# Allegro board SSOM_K1_Layout.brd
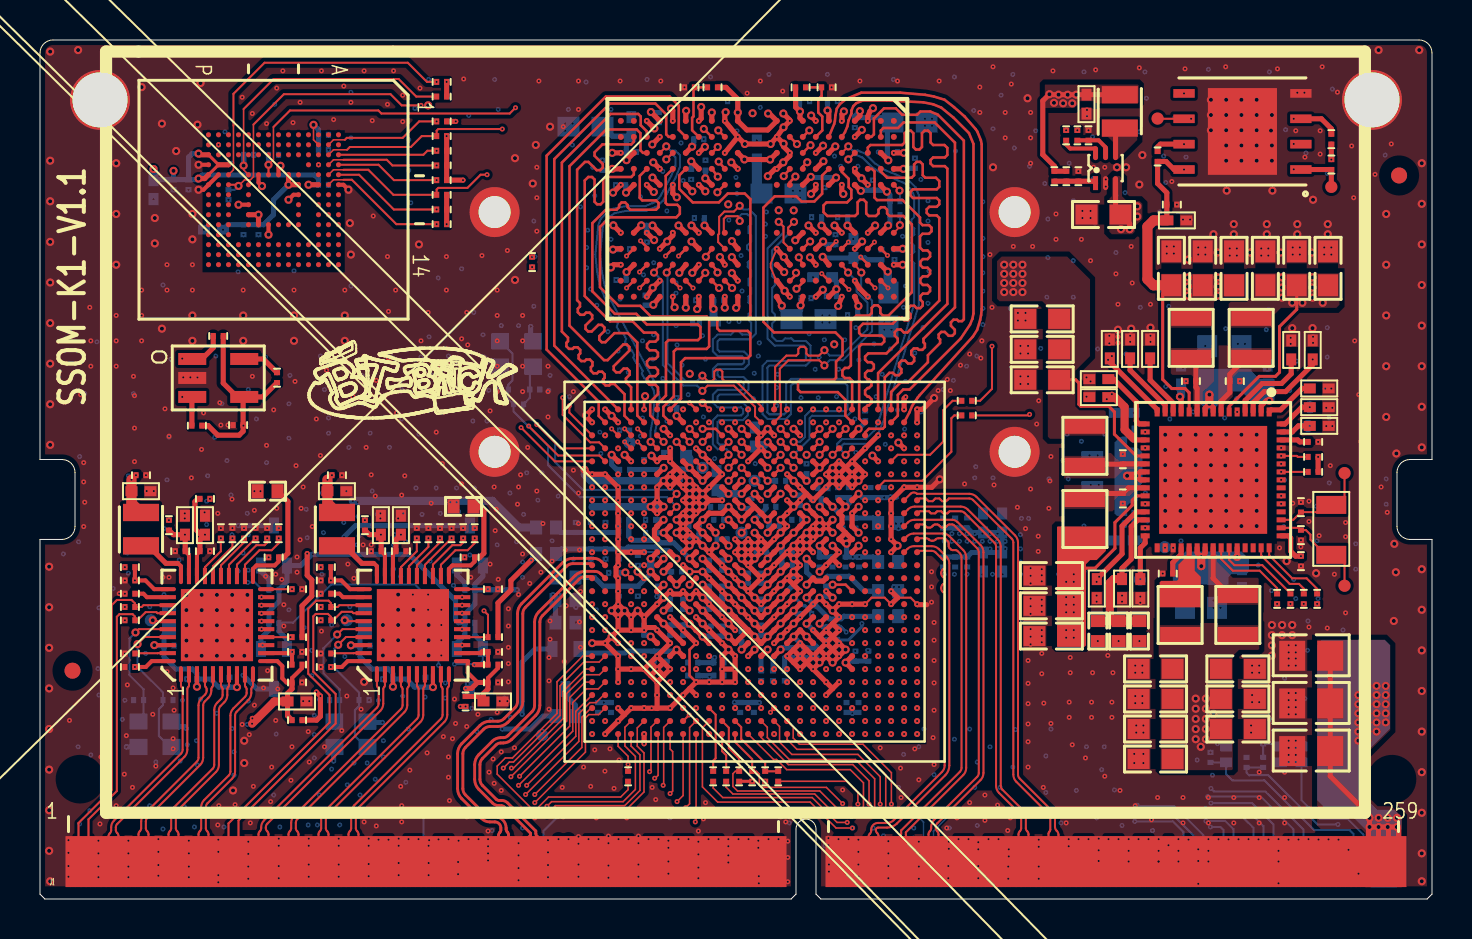
[diagram p0: board, top side]
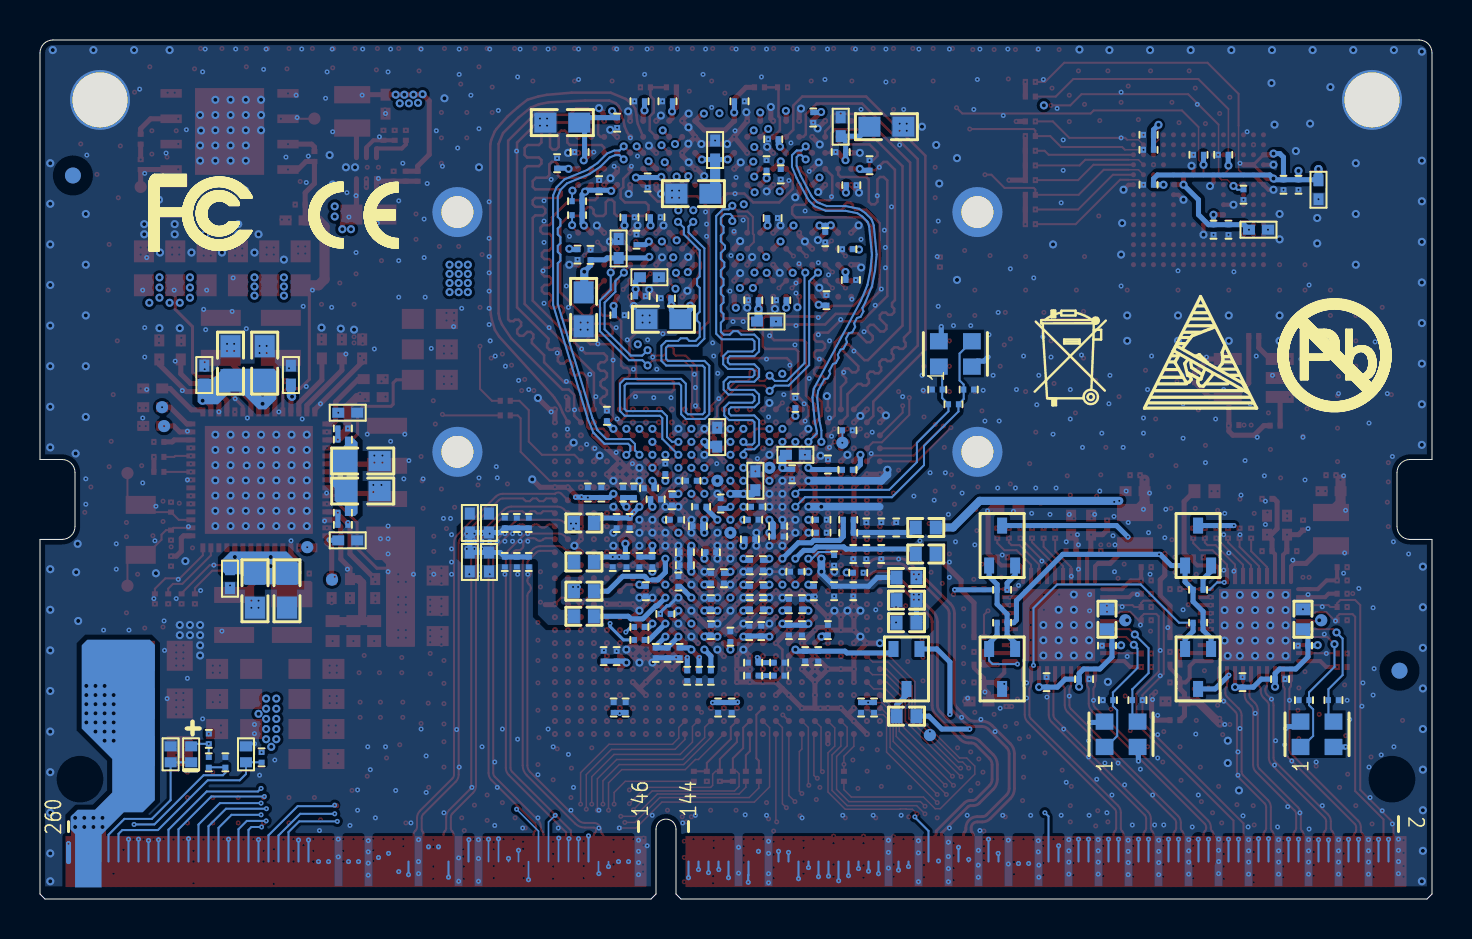
[diagram p1: board, bottom side, seen from below]

Outline 69.6 x 43 mm; copper layers: TOP, L2, L3, L4, L5, L6, L7, BOTTOM. Coordinates in mm from the lower left corner of the outline.
Outline path: 0,42.35 0,22 1.1,22 arc(1.56,21.81) 1.75,21.35 1.75,18.65 arc(1.56,18.19) 1.1,18 0,18 0,0.25 0.25,0 37.55,0 37.8,0.25 37.8,3.5 arc(38.3,4) 38.8,3.5 38.8,0.25 39.05,0 69.35,0 69.6,0.25 69.6,18 68.5,18 arc(68.04,18.19) 67.85,18.65 67.85,21.35 arc(68.04,21.81) 68.5,22 69.6,22 69.6,42.35 arc(69.41,42.81) 68.95,43 0.65,43 arc(0.19,42.81) 0,42.35

## Design rules (mm)
constraint set DEFAULT: min track width 0.076
net group AUX_MIC: nets AUX_MICN AUX_MICP
net group AVDD09_CSI: nets AVDD09_CSI N23332666
net group CSI1_CK: nets CSI1_CKN CSI1_CKP
net group CSI2_CK: nets CSI2_CKN CSI2_CKP
net group CSI3_CK: nets CSI3_CKN CSI3_CKP
net group DACL_: nets DACL_N DACL_P
net group DACR_: nets DACR_N DACR_P
net group DP1: nets CSI1_DN0 CSI1_DP0
net group DP2: nets CSI1_DN1 CSI1_DP1
net group DP3: nets CSI1_DN2 CSI1_DP2
net group DP4: nets CSI1_DN3 CSI1_DP3
net group DP5: nets CSI3_DN0 CSI3_DP0
net group DP6: nets CSI3_DN1 CSI3_DP1
net group DP7: nets CSI3_DN2 CSI3_DP2
net group DP8: nets CSI3_DN3 CSI3_DP3
net group EAR_: nets EAR_N EAR_P
net group HP_MIC: nets HP_MICN HP_MICP
net group MAIN_MIC: nets MAIN_MICN MAIN_MICP
net group MIPI_DSI1_CLK: nets MIPI_DSI1_CLKN MIPI_DSI1_CLKP
net group MIPI_DSI1_D0: nets MIPI_DSI1_D0N MIPI_DSI1_D0P
net group MIPI_DSI1_D1: nets MIPI_DSI1_D1N MIPI_DSI1_D1P
net group MIPI_DSI1_D2: nets MIPI_DSI1_D2N MIPI_DSI1_D2P
net group MIPI_DSI1_D3: nets MIPI_DSI1_D3N MIPI_DSI1_D3P
net group PHY0_MDI0: nets PHY0_MDI0+ PHY0_MDI0-
net group PHY0_MDI1: nets PHY0_MDI1+ PHY0_MDI1-
net group PHY0_MDI2: nets PHY0_MDI2+ PHY0_MDI2-
net group PHY0_MDI3: nets PHY0_MDI3+ PHY0_MDI3-
net group PHY1_MDI0: nets PHY1_MDI0+ PHY1_MDI0-
net group PHY1_MDI1: nets PHY1_MDI1+ PHY1_MDI1-
net group PHY1_MDI2: nets PHY1_MDI2+ PHY1_MDI2-
net group PHY1_MDI3: nets PHY1_MDI3+ PHY1_MDI3-
net group P_G: nets ALDO1_3V3 ALDO2_2V8 ALDO3_2V8 ALDO4_2V8 AONLDO AUD_VDDU09 AVDD3V3_AUD AVDD09_AFEAP AVDD09_PLL AVDD09_USB AVDD18_AUD AVDD18_CSI AVDD18_DDR AVDD33_HDMI AVDD33_HDMI_1 CSI_DVDD12 CSI_VCCIO18 DDR_LDO_CAP DLDO6_1V8 DLDO7_1V8 LCD_VCC5V0 N17305702 N17570956 N17570970 N17570992 N17571044 N19151362 N19444907 N19552508 N19650065 N19918006 VCC5V0_SYS

## Placement (name value [footprint] x y rotation side)
BH2  STANDOFF M1.4  [HOLE_M_2R50D1R60]  48.73 34.38 0 top
BH3  STANDOFF M1.4  [HOLE_M_2R50D1R60]  22.73 22.38 0 top
BH4  STANDOFF M1.4  [HOLE_M_2R50D1R60]  48.73 22.38 0 top
BH5  .635" LONG  [HOLE_M_3R00D1R90]  3 40 0 top
BH6  .635" LONG  [HOLE_M_3R00D1R90]  66.6 40 0 top
BH11  STANDOFF M1.4  [HOLE_M_2R50D1R60]  22.73 34.38 0 top
C1  22uF-25V  [0805C]  63.56 9.79 0 top
C2  22uF-25V  [0805C]  63.56 12.18 0 top
C3  22uF-25V  [0805C]  63.56 7.41 0 top
C4  100nF  [C0201]  38.33 21.54 270 bottom
C5  1uF  [C0201]  40.44 20.35 270 bottom
C6  1uF  [C0201]  33.94 11.83 180 bottom
C7  1uF  [C0201]  40.77 18.82 90 bottom
C8  1uF  [C0201]  40.28 16.87 90 bottom
C9  1uF  [C0201]  40.96 16.87 90 bottom
C10  1uF  [C0201]  39.91 20.35 270 bottom
C11  1uF  [C0201]  31.83 16.38 180 bottom
C12  1uF  [C0201]  31.5 14.76 270 bottom
C13  1uF  [C0201]  30.53 18.34 0 bottom
C14  1uF  [C0201]  39.63 16.87 90 bottom
C15  1uF  [C0201]  40.12 18.82 90 bottom
C16  1uF  [C0201]  38.98 16.87 90 bottom
C17  1uF  [C0201]  32.64 11.18 0 bottom
C18  1uF  [C0201]  30.53 18.99 0 bottom
C19  1uF  [C0201]  32.15 14.76 270 bottom
C20  1uF  [C0201]  39.31 15.41 90 bottom
C21  1uF  [C0201]  30.69 12.16 90 bottom
C22  1uF  [C0201]  31.34 12.16 90 bottom
C23  1uF  [C0201]  30.9 15.41 90 bottom
C24  1uF  [C0201]  29.89 16.95 90 bottom
C25  100nF  [C0201]  37.36 16.71 180 bottom
C26  100nF  [C0201]  31.5 13.46 90 bottom
C27  22uF  [0603C]  55.78 7.01 0 top
C28  4.7uF  [C0402]  48.11 16.87 270 bottom
C29  1uF  [C0201]  37.68 15.9 270 bottom
C30  100nF  [C0201]  30.2 13.46 270 bottom
C31  100nF  [C0201]  32.15 13.46 90 bottom
C32  100nF  [C0201]  35.41 16.06 90 bottom
C33  100nF  [C0201]  32.69 18.15 0 bottom
C34  100nF  [C0201]  35.57 19.8 270 bottom
C35  100nF  [C0201]  39.57 30.18 0 bottom
C36  100nF  [C0201]  33.93 29.97 180 bottom
C37  100nF  [C0201]  29.24 32.53 180 bottom
C38  4.7uF  [C0402]  33.83 20.94 90 bottom
C39  4.7uF  [C0402]  31.83 22.24 180 bottom
C40  10uF  [C0402]  35.74 23.12 270 bottom
C41  22uF  [0603C]  42.42 29.51 90 bottom
C42  4.7uF  [C0402]  48.11 18.82 90 bottom
C43  1uF  [C0201]  46.36 18.82 270 bottom
C44  100nF  [C0201]  33.54 13.41 270 bottom
C45  100nF  [C0201]  36.06 13.46 270 bottom
C46  100nF  [C0201]  38.22 12.32 90 bottom
C47  100nF  [C0201]  38.82 12.32 90 bottom
C48  100nF  [C0201]  34.14 13.41 270 bottom
C49  100nF  [C0201]  33.45 15.41 90 bottom
C50  100nF  [C0201]  31.99 21.26 90 bottom
C51  100nF  [C0201]  38.01 19.96 90 bottom
C52  100nF  [C0201]  41.26 24.19 270 bottom
C53  1uF  [C0201]  40.63 29.22 0 bottom
C54  1uF  [C0201]  31.83 24.84 270 bottom
C55  4.7uF  [C0402]  47.15 18.82 90 bottom
C56  1uF  [C0201]  45.16 18.82 270 bottom
C57  100nF  [C0201]  33.45 14.76 270 bottom
C58  100nF  [C0201]  34.1 15.41 90 bottom
C59  100nF  [C0201]  34.1 14.76 270 bottom
C60  100nF  [C0201]  37.84 18.99 0 bottom
C61  100nF  [C0201]  36.06 14.76 270 bottom
C62  100nF  [C0201]  33.45 16.71 90 bottom
C63  100nF  [C0201]  36.06 16.06 270 bottom
C64  100nF  [C0201]  36.71 18.66 180 bottom
C65  1uF  [C0201]  38.33 14.27 180 bottom
C66  4.7uF  [C0402]  47.15 16.87 270 bottom
C67  1uF  [C0201]  36.06 17.36 0 bottom
C68  1uF  [C0201]  46.36 16.87 90 bottom
C69  1uF  [C0201]  32.69 18.66 0 bottom
C70  1uF  [C0201]  37.36 17.36 180 bottom
C71  1uF  [C0201]  33.78 19.64 0 bottom
C72  1uF  [C0201]  45.76 16.87 90 bottom
C73  1uF  [C0201]  45.16 16.87 90 bottom
C74  1uF  [C0201]  45.76 18.82 270 bottom
C75  100nF  [C0201]  32.64 11.83 0 bottom
C76  1uF  [C0201]  33.94 11.18 180 bottom
C77  100nF  [C0201]  34.1 16.71 90 bottom
C78  100nF  [C0201]  34.1 18.01 0 bottom
C79  100nF  [C0201]  27.53 17.27 90 bottom
C80  100nF  [C0201]  28.94 17.27 90 bottom
C81  100nF  [C0201]  28.28 17.27 90 bottom
C82  100nF  [C0201]  35.69 9.59 90 bottom
C83  100nF  [C0201]  28.55 9.59 90 bottom
C84  100nF  [C0201]  40.32 9.59 270 bottom
C85  100nF  [C0201]  27.9 9.59 90 bottom
C86  100nF  [C0201]  41.42 12.16 270 bottom
C87  100nF  [C0201]  35.01 9.59 90 bottom
C88  100nF  [C0201]  30.2 21.75 270 bottom
C89  100nF  [C0201]  40.92 9.59 270 bottom
C90  100nF  [C0201]  40.77 12.16 270 bottom
C91  100nF  [C0201]  39.14 20.56 180 bottom
C92  100nF  [C0201]  36.54 19.64 180 bottom
C93  100nF  [C0201]  33.94 18.99 0 bottom
C94  100nF  [C0201]  28.94 15.41 90 bottom
C95  100nF  [C0201]  29.89 15.41 90 bottom
C96  1uF  [C0201]  37.24 11.18 90 bottom
C97  1uF  [C0201]  41.53 20.35 270 bottom
C98  1uF  [C0201]  36.65 11.18 90 bottom
C99  1uF  [C0201]  42.21 20.35 270 bottom
C100  1uF  [C0201]  38.82 20.01 0 bottom
C101  1uF  [C0201]  36.06 11.18 90 bottom
C102  1uF  [C0201]  35.08 13.13 270 bottom
C103  1uF  [C0201]  37.62 12.32 90 bottom
C104  1uF  [C0201]  28.28 18.6 270 bottom
C105  1uF  [C0201]  26.79 18.6 270 bottom
C106  1uF  [C0201]  27.53 18.6 270 bottom
C107  12pF  [C0201]  24.74 25.5 180 bottom
C108  12pF  [C0201]  23.16 25.5 0 bottom
C109  100nF  [C0201]  29.23 23.46 0 bottom
C125  10uF-16V  [0603C]  53.18 34.26 0 top
C126  22pF  [C0201]  51.32 36.18 90 top
C127  10uF  [C0402]  52.32 39.79 90 top
C129  10uF-16V  [0603C]  58.85 15.43 90 bottom
C130  22uF-10V  [0603C]  59.89 11.52 180 top
C131  22uF-10V  [0603C]  59.89 10.02 180 top
C132  22uF-10V  [0603C]  59.89 8.51 180 top
C133  10uF-16V  [0603C]  57.25 15.43 90 bottom
C134  22uF-10V  [0603C]  55.78 11.52 0 top
C135  22uF-10V  [0603C]  55.78 10.02 0 top
C136  22uF-10V  [0603C]  55.78 8.51 0 top
C137  10uF-16V  [0603C]  60.07 26.82 270 bottom
C138  22uF-10V  [0603C]  61.27 31.57 270 top
C139  22uF-10V  [0603C]  62.84 31.57 270 top
C140  NC/22uF-10V  [0603C]  64.4 31.57 270 top
C141  220pF  [0201C]  59.74 25.92 180 top
C142  220pF  [0201C]  57.54 25.92 0 top
C143  10uF-16V  [0603C]  58.37 26.82 270 bottom
C144  22uF-10V  [0603C]  59.7 31.57 270 top
C145  22uF-10V  [0603C]  58.14 31.57 270 top
C146  NC/22uF-10V  [0603C]  56.57 31.57 270 top
C147  10uF-16V  [0603C]  53.46 21.92 0 bottom
C148  22uF-10V  [0603C]  50.57 16.19 0 top
C149  22uF-10V  [0603C]  50.57 14.68 0 top
C150  220pF  [0201C]  54.14 20.05 90 top
C151  NC/22uF-10V  [0603C]  50.57 13.16 0 top
C152  10uF-16V  [0603C]  53.46 20.42 0 bottom
C153  22uF-10V  [0603C]  50.11 25.99 0 top
C154  22uF-10V  [0603C]  50.11 29.04 0 top
C155  NC/22uF-10V  [0603C]  50.11 27.51 0 top
C156  220pF  [0201C]  54.14 22.02 270 top
C157  10uF  [C0402]  57.06 26.23 270 bottom
C158  10uF  [C0402]  55.51 27.54 90 top
C159  4.7uF  [C0402]  61.38 26.23 270 bottom
C160  2.2uF  [C0402]  63.64 27.49 270 top
C161  2.2uF  [C0402]  62.56 27.49 270 top
C162  2.2uF  [C0402]  63.96 25.56 180 top
C163  2.2uF  [C0402]  63.96 24.62 180 top
C164  2.2uF  [C0402]  63.96 23.68 180 top
C165  4.7uF  [C0402]  54.21 24.34 0 bottom
C166  4.7uF  [C0402]  54.21 17.95 0 bottom
C167  2.2uF  [C0402]  53.49 27.54 270 top
C168  2.2uF  [C0402]  54.51 27.54 270 top
C169  2.2uF  [C0402]  52.94 26.02 0 top
C170  2.2uF  [C0402]  52.94 25.12 0 top
C171  2.2uF  [C0402]  52.84 15.54 90 top
C172  2.2uF  [C0402]  54.1 15.54 90 top
C173  2.2uF  [C0402]  55.02 15.54 90 top
C174  100nF  [C0201]  63.05 16.91 90 top
C175  4.7uF  [C0402]  60.1 16.04 270 bottom
C176  1uF  [C0201]  63.66 22.88 0 top
C177  12pF  [C0201]  63.05 18.21 90 top
C178  12pF  [C0201]  63.05 19.62 270 top
C179  22uF  [0603C]  36.93 35.31 180 bottom
C180  22uF  [0603C]  38.43 29.02 180 bottom
C181  4.7uF  [C0402]  35.84 37.49 270 bottom
C182  4.7uF  [C0402]  33.27 28.91 0 bottom
C183  1uF  [C0201]  38.3 30.07 180 bottom
C184  1uF  [C0201]  38.83 34.13 0 bottom
C185  100nF  [C0201]  39.22 35.86 90 bottom
C186  100nF  [C0201]  43.75 36.83 270 bottom
C187  100nF  [C0201]  42.72 32.26 90 bottom
C188  100nF  [C0201]  32.97 34.09 0 bottom
C189  100nF  [C0201]  33.27 36.73 270 bottom
C190  100nF  [C0201]  38.23 39.93 180 bottom
C191  1uF  [C0201]  28.12 36.73 270 bottom
C192  1uF  [C0201]  34.63 39.93 0 bottom
C193  4.7uF  [C0402]  39.13 31.12 0 bottom
C194  1uF  [C0201]  39.78 33 270 bottom
C195  100nF  [C0201]  39.62 39.93 180 bottom
C196  100nF  [C0201]  32.56 36.27 90 bottom
C197  100nF  [C0201]  32.54 29.97 180 bottom
C198  22uF  [0603C]  43.48 38.86 180 bottom
C199  22uF  [0603C]  27.28 38.66 0 bottom
C200  4.7uF  [C0402]  40.67 32.56 270 bottom
C201  4.7uF  [C0402]  29.57 38.66 270 bottom
C202  1uF  [C0201]  29.57 37.39 180 bottom
C203  1uF  [C0201]  29.06 30.99 0 bottom
C204  1uF  [C0201]  42.62 37.39 180 bottom
C205  100nF  [C0201]  40.74 38.86 90 bottom
C206  100nF  [C0201]  29.03 35.73 0 bottom
C207  100nF  [C0201]  40.13 34.13 0 bottom
C208  100nF  [C0201]  42.07 32.24 270 bottom
C209  100nF  [C0201]  32.94 38.03 180 bottom
C210  100nF  [C0201]  30.34 33.13 90 bottom
C211  100nF  [C0201]  30.94 39.12 90 bottom
C212  100nF  [C0201]  41.64 35.73 270 bottom
C213  100nF  [C0201]  30.28 29.97 270 bottom
C214  10uF  [C0402]  8.68 33.5 0 bottom
C215  1uF  [C0201]  10.18 33.5 90 bottom
C216  100nF  [C0201]  10.93 33.5 90 bottom
C217  10uF  [C0402]  5.68 35.5 90 bottom
C218  1uF  [C0201]  6.68 35.75 90 bottom
C219  1uF  [C0201]  14.17 35.75 180 bottom
C220  100nF  [C0201]  7.43 35.75 90 bottom
C221  1uF  [C0201]  14.17 37.5 180 bottom
C222  100nF  [C0201]  14.17 38.25 180 bottom
C223  100nF  [C0201]  10.44 37.25 0 bottom
C224  100nF  [C0201]  56.59 34.76 0 top
C225  4.7uF  [C0402]  56.85 33.97 0 top
C226  100nF  [C0201]  60.33 6.84 270 bottom
C227  1uF  [C0201]  9.91 23.72 180 top
C228  100nF  [C0201]  17.39 11.01 180 bottom
C229  12pF  [C0201]  16.21 9.96 180 bottom
C230  12pF  [C0201]  14.73 9.96 0 bottom
C231  100nF  [C0201]  14.29 11.62 180 top
C232  4.7uF  [C0402]  17.05 18.71 90 top
C233  100nF  [C0201]  16.81 17.41 0 top
C234  4.7uF  [C0402]  18.05 18.71 90 top
C235  100nF  [C0201]  18.05 17.41 180 top
C236  4.7uF  [C0402]  14.85 20.41 0 top
C237  100nF  [C0201]  14.85 21.22 180 top
C238  100nF  [C0201]  19.27 10.86 90 bottom
C239  100nF  [C0201]  16.25 12.68 0 bottom
C240  100nF  [C0201]  21.48 17.1 0 top
C241  100nF  [C0201]  22.65 12.37 180 top
C242  22pF  [C0201]  22.65 15.51 180 top
C243  4.7uF  [C0402]  22.65 9.89 0 top
C244  100nF  [C0201]  22.65 10.84 180 top
C245  100nF  [C0201]  14.29 15.95 0 top
C251  100nF  [C0201]  6.45 12.68 0 bottom
C252  12pF  [C0201]  6.4 9.96 180 bottom
C253  12pF  [C0201]  4.93 9.96 0 bottom
C254  100nF  [C0201]  4.49 11.62 180 top
C255  4.7uF  [C0402]  7.25 18.71 90 top
C256  100nF  [C0201]  7.01 17.41 0 top
C257  4.7uF  [C0402]  8.25 18.71 90 top
C258  100nF  [C0201]  8.25 17.41 180 top
C259  4.7uF  [C0402]  5.05 20.41 0 top
C260  100nF  [C0201]  5.05 21.22 180 top
C261  100nF  [C0201]  7.59 11.01 180 bottom
C262  100nF  [C0201]  9.47 10.86 90 bottom
C263  100nF  [C0201]  11.68 17.1 0 top
C264  100nF  [C0201]  12.85 12.37 180 top
C265  22pF  [C0201]  12.85 15.51 180 top
C266  4.7uF  [C0402]  12.85 9.89 0 top
C267  100nF  [C0201]  12.85 10.84 180 top
C268  100nF  [C0201]  4.49 15.95 0 top
D1  LRB521BS-30T5G  [0402D]  62.04 7.24 270 bottom
D2  PESD5V0V1BL  [0402ESD]  59.3 7.24 270 bottom
D3  PESD5V0V1BL  [0402ESD]  63.07 7.24 270 bottom
FB1  BLM15PX121SN1D  [0402L]  26.28 14.96 0 bottom
FB2  BLM15PX121SN1D  [0402L]  42.41 14.15 180 bottom
FB3  BLM15PX121SN1D  [0402L]  26.28 13.83 0 bottom
FB4  BLM15PX121SN1D  [0402L]  25.31 17.27 0 bottom
FB5  BLM15PX121SN1D  [0402L]  42.41 16.87 180 bottom
FB6  BLM15PX121SN1D  [0402L]  26.28 16.09 0 bottom
FB7  BLM15PX121SN1D  [0402L]  42.41 18.82 180 bottom
FB8  BLM15PX121SN1D  [0402L]  25.31 18.6 0 bottom
FB9  BLM15PX121SN1D  [0402L]  42.41 15.41 180 bottom
FB10  BLM15PX121SN1D  [0402L]  26.28 9.15 0 bottom
FB11  BLM15PX121SN1D  [0402L]  52.89 13.41 270 top
FB12  BLM15PX121SN1D  [0402L]  53.93 13.41 270 top
FB13  BLM15PX121SN1D  [0402L]  54.97 13.41 270 top
FB14  BLM15PX121SN1D  [0402L]  16.25 14 90 bottom
FB15  BLM15PX121SN1D  [0402L]  21.18 19.65 180 top
FB16  BLM15PX121SN1D  [0402L]  6.45 14 90 bottom
FB17  BLM15PX121SN1D  [0402L]  11.38 20.41 180 top
J1  DDR4-SO-DIMM-260P  [GOLD_FINGER_SODIMM_260]  1.42 1.88 0 top
L3  WPN201610UF1R0MT  [IND_2016A]  53.99 39.42 90 top
L4  WPN252012ER47MT  [IND2520]  59.89 14.22 270 top
L5  WPN252012ER47MT  [IND2520]  57.01 14.22 270 top
L6  WPN252012ER47MT  [IND2520]  60.56 28.09 90 top
L7  WPN252012ER47MT  [IND2520]  57.56 28.09 90 top
L8  WPN252012ER47MT  [IND2520]  52.25 19.02 270 top
L9  WPN252012ER47MT  [IND2520]  52.25 22.69 90 top
L10  MWTC201610S2R2MT  [IND_2016A]  14.85 18.51 90 top
L11  MWTC201610S2R2MT  [IND_2016A]  5.05 18.51 90 top
MK1  MARK  [MARK0R8]  1.63 11.43 90 top
MK2  MARK  [MARK0R8]  67.95 36.22 0 top
MK3  MARK  [MARK0R8]  1.63 11.43 270 bottom
MK4  MARK  [MARK0R8]  67.95 36.22 180 bottom
NOREF  -  []  0 42.35 0 top
NOREF#2  -  []  0.25 0 90 top
NOREF#3  -  []  0 0.29 0 top
NOREF#4  -  []  69.6 22 90 top
NOREF#5  -  []  65.55 39.12 0 top
NOREF#6  -  []  69.35 0 90 top
NOREF#7  -  []  0 0.25 0 top
NOREF#8  -  []  3 40 90 top
NOREF#9  -  []  38.8 0.25 0 top
NOREF#10  -  []  69.35 0 90 top
NOREF#11  -  []  3 40 0 top
NOREF#12  -  []  0 42.35 0 top
NOREF#13  -  []  2.81 5.59 0 top
Q2  CJ2101  [SOT323_S]  26.28 11.52 0 bottom
Q9  NX3008NBKW  [SOT323_S]  21.49 11.52 0 bottom
Q10  NX3008NBKW  [SOT323_S]  21.49 17.69 180 bottom
Q11  NX3008NBKW  [SOT323_S]  11.7 11.52 0 bottom
Q12  NX3008NBKW  [SOT323_S]  11.7 17.69 180 bottom
R1  0R  [0201R]  46.34 24.94 180 top
R2  240R-1%  [0201R]  37.03 20.94 0 bottom
R3  10K  [0201R]  24.61 31.88 90 top
R7  0R  [0201R]  39.63 12.97 0 bottom
R8  0R  [0201R]  39.63 13.62 180 bottom
R9  3.3R  [0201R]  29.19 18.99 180 bottom
R10  NC/4.7R  [0201R]  29.19 18.34 180 bottom
R11  4.7K  [0201R]  34.96 6.14 270 top
R12  4.7K  [0201R]  35.61 6.14 270 top
R13  0R  [0201R]  36.91 6.14 90 top
R14  NC  [0201R]  36.26 6.14 90 top
R15  0R  [0201R]  33.66 6.14 90 top
R16  0R  [0201R]  46.34 24.21 0 top
R17  0R  [0201R]  34.31 6.14 90 top
R18  0R  [0201R]  29.4 6.14 270 top
R19  NC/1M  [0201R]  23.93 24.77 0 bottom
R40  100K  [0201R]  51.31 38.23 270 top
R41  8.2K-1%  [0201R]  50.72 36.18 270 top
R43  100K  [0201R]  51.87 38.23 270 top
R44  1M  [0201R]  52.43 38.23 270 top
R45  100K-1%  [0201R]  51.92 36.18 90 top
R47  0R  [0201R]  61.86 15.02 270 top
R48  0R  [0201R]  62.52 15.02 270 top
R49  0R  [0201R]  56.39 16.29 180 top
R52  NC/10K  [0201R]  54.46 19.34 180 bottom
R53  NC/10K  [0201R]  54.46 18.73 180 bottom
R56  NC/10K  [0201R]  54.46 23 180 bottom
R57  NC/10K  [0201R]  54.46 23.56 180 bottom
R71  0R  [0201R]  63.86 15.02 270 top
R72  0R  [0201R]  63.19 15.02 270 top
R73  10K  [0201R]  63.66 21.38 0 top
R74  100K  [0201R]  63.66 22.13 0 top
R75  240R-1%  [0201R]  42.75 34.93 0 bottom
R76  240R-1%  [0201R]  42.75 34.23 0 bottom
R77  NC  [0201R]  39.33 40.63 180 top
R78  10K  [0201R]  38.03 40.63 0 top
R79  10K  [0201R]  33.63 40.63 180 top
R80  NC  [0201R]  32.47 40.63 0 top
R81  NC/10K  [0201R]  20.08 37.45 0 top
R82  NC/10K  [0201R]  20.08 35.98 0 top
R83  NC/10K  [0201R]  20.08 34.51 0 top
R84  NC/10K  [0201R]  20.08 38.92 0 top
R85  NC/10K  [0201R]  20.08 38.19 0 top
R86  NC/10K  [0201R]  20.08 36.72 0 top
R87  NC/10K  [0201R]  20.08 35.25 0 top
R88  NC/10K  [0201R]  20.08 33.78 0 top
R89  NC/10K  [0201R]  20.08 40.9 0 top
R90  10K  [0201R]  20.08 40.17 0 top
R91  NC/10K  [0201R]  11.68 37.25 180 bottom
R92  NC/10K  [0201R]  9.43 35.25 90 bottom
R93  NC/10K  [0201R]  64.57 38.03 270 top
R94  10K  [0201R]  64.57 36.76 90 top
R95  NC/10K  [0201R]  55.88 37.17 270 top
R96  100K  [0201R]  61.16 8.02 90 bottom
R97  2.49K-1%  [0201R]  14.29 12.29 0 top
R98  0R  [0201R]  61.16 6.84 90 bottom
R99  1K  [0201R]  58.52 7.09 270 bottom
R100  10K  [0201R]  29.23 21.48 0 bottom
R101  240R-1%  [0201R]  28.69 16.33 180 bottom
R102  10K  [0201R]  11.85 26.1 90 top
R103  4.7K  [0201R]  8.91 28.18 0 top
R104  4.7K  [0201R]  7.84 23.7 0 top
R111  100K  [0201R]  21.49 13.83 0 bottom
R112  4.7K  [0201R]  22.65 11.73 180 top
R115  100K  [0201R]  21.49 15.48 180 bottom
R116  4.7K  [0201R]  14.29 16.61 0 top
R125  1.8K  [0201R]  22.65 13.11 180 top
R128  4.7K  [0201R]  21.74 18.31 270 top
R131  4.7K  [0201R]  10.2 18.31 90 top
R132  4.7K  [0201R]  18.84 18.31 90 top
R136  4.7K  [0201R]  19.42 18.31 90 top
R138  4.7K  [0201R]  11.36 18.31 90 top
R144  0R  [0201R]  21.28 9.89 270 top
R145  0R  [0201R]  16.24 18.71 90 top
R152  4.7K  [0201R]  14.29 13.95 0 top
R157  4.7K  [0201R]  14.29 15.28 180 top
R159  4.7K  [0201R]  14.29 14.62 180 top
R164  2.49K-1%  [0201R]  4.49 12.29 0 top
R171  100K  [0201R]  11.7 13.83 0 bottom
R172  4.7K  [0201R]  12.85 11.73 180 top
R175  100K  [0201R]  11.7 15.48 180 bottom
R176  4.7K  [0201R]  4.49 16.61 0 top
R185  1.8K  [0201R]  12.85 13.11 180 top
R188  4.7K  [0201R]  11.94 18.31 270 top
R193  4.7K  [0201R]  9.62 18.31 90 top
R194  4.7K  [0201R]  9.04 18.31 90 top
R204  0R  [0201R]  12.85 8.95 0 top
R206  0R  [0201R]  6.45 18.71 90 top
R208  NC/0R  [0201R]  8.25 20.03 0 top
R211  4.7K  [0201R]  4.49 13.95 0 top
R219  4.7K  [0201R]  4.49 15.28 180 top
R221  4.7K  [0201R]  4.49 14.62 180 top
R222  4.7K  [0201R]  10.78 18.31 90 top
R223  4.7K  [0201R]  20.58 18.31 90 top
R224  4.7K  [0201R]  20 18.31 90 top
R225  4.7K  [0201R]  21.16 18.31 90 top
TP1  DNI  [TP_35MIL]  35.73 20.94 180 bottom
TP2  DNI  [TP_35MIL]  33.13 21.59 180 bottom
TP3  DNI  [TP_35MIL]  35.08 18.34 180 bottom
TP4  DNI  [TP_35MIL]  25.11 8.21 180 bottom
TP5  DNI  [TP_35MIL]  29.48 22.84 180 bottom
TP8  DNI  [TP_35MIL]  63.5 24.62 90 bottom
TP9  DNI  [TP_35MIL]  63.4 23.67 90 bottom
TP10  DNI  [TP_35MIL]  55 15.99 90 bottom
TP11  DNI  [TP_35MIL]  65.23 15.68 270 top
TP12  DNI  [TP_35MIL]  56.24 17.61 90 bottom
TP13  DNI  [TP_35MIL]  65.23 21.32 270 top
TP14  DNI  [TP_35MIL]  55.88 39.07 90 top
TP15  DNI  [TP_35MIL]  64.57 35.65 270 top
TP95  DNI  [TP_35MIL]  15.34 13.95 270 bottom
TP96  DNI  [TP_35MIL]  5.54 13.95 270 bottom
U1  K1-P676  [K1X_17X17_065_FULLMATRIX]  35.73 16.38 0 top
U4  ETA3521FSG  [SOT563]  53.28 36.58 0 top
U5  P1  [QFN60-S0_25X0_45-P0_4-H0_8]  58.66 20.98 270 top
U6  K4UCE3Q4AB-MGCL  [FBGA800P10200X14700X1000-200]  35.87 34.55 270 top
U7  KLMAG1JETD-B041  [FBGA153_0P5_11P5X13]  11.68 35 270 top
U8  W25Q64JVZPIQ  [WSON_8_EP_5R0X6R0]  60.12 38.42 180 top
U9  AD24C02  [SOT23-5]  8.91 26.08 270 top
U10  RTL8211F-CG  [QFN40_0P4_5X5MM]  18.65 13.71 90 top
U11  RTL8211F-CG  [QFN40_0P4_5X5MM]  8.85 13.71 90 top
Y1  24M  [XTLOSC4_2P5X2MM_SM]  23.83 27.28 180 bottom
Y2  NX3215SA-32.768K-12.5pF-STD-MUA-8  [CO2-1R5X3R2-S]  64.56 18.48 90 top
Y3  25MHz  [XTLOSC4_2P5X2MM_SM]  15.55 8.25 180 bottom
Y4  25MHz  [XTLOSC4_2P5X2MM_SM]  5.75 8.25 180 bottom
